# Altium PCB openservo_tessellated.PcbDoc (part 13 of 13)
Units mm, origin at the board's own origin, x right, y up, seen from the top; angles counter-clockwise.
Board outline 225 x 202.5 mm, 2 copper layers (Top Layer, Bottom Layer); 1250 components, 19 nets, 5300 pads, 1100 vias.
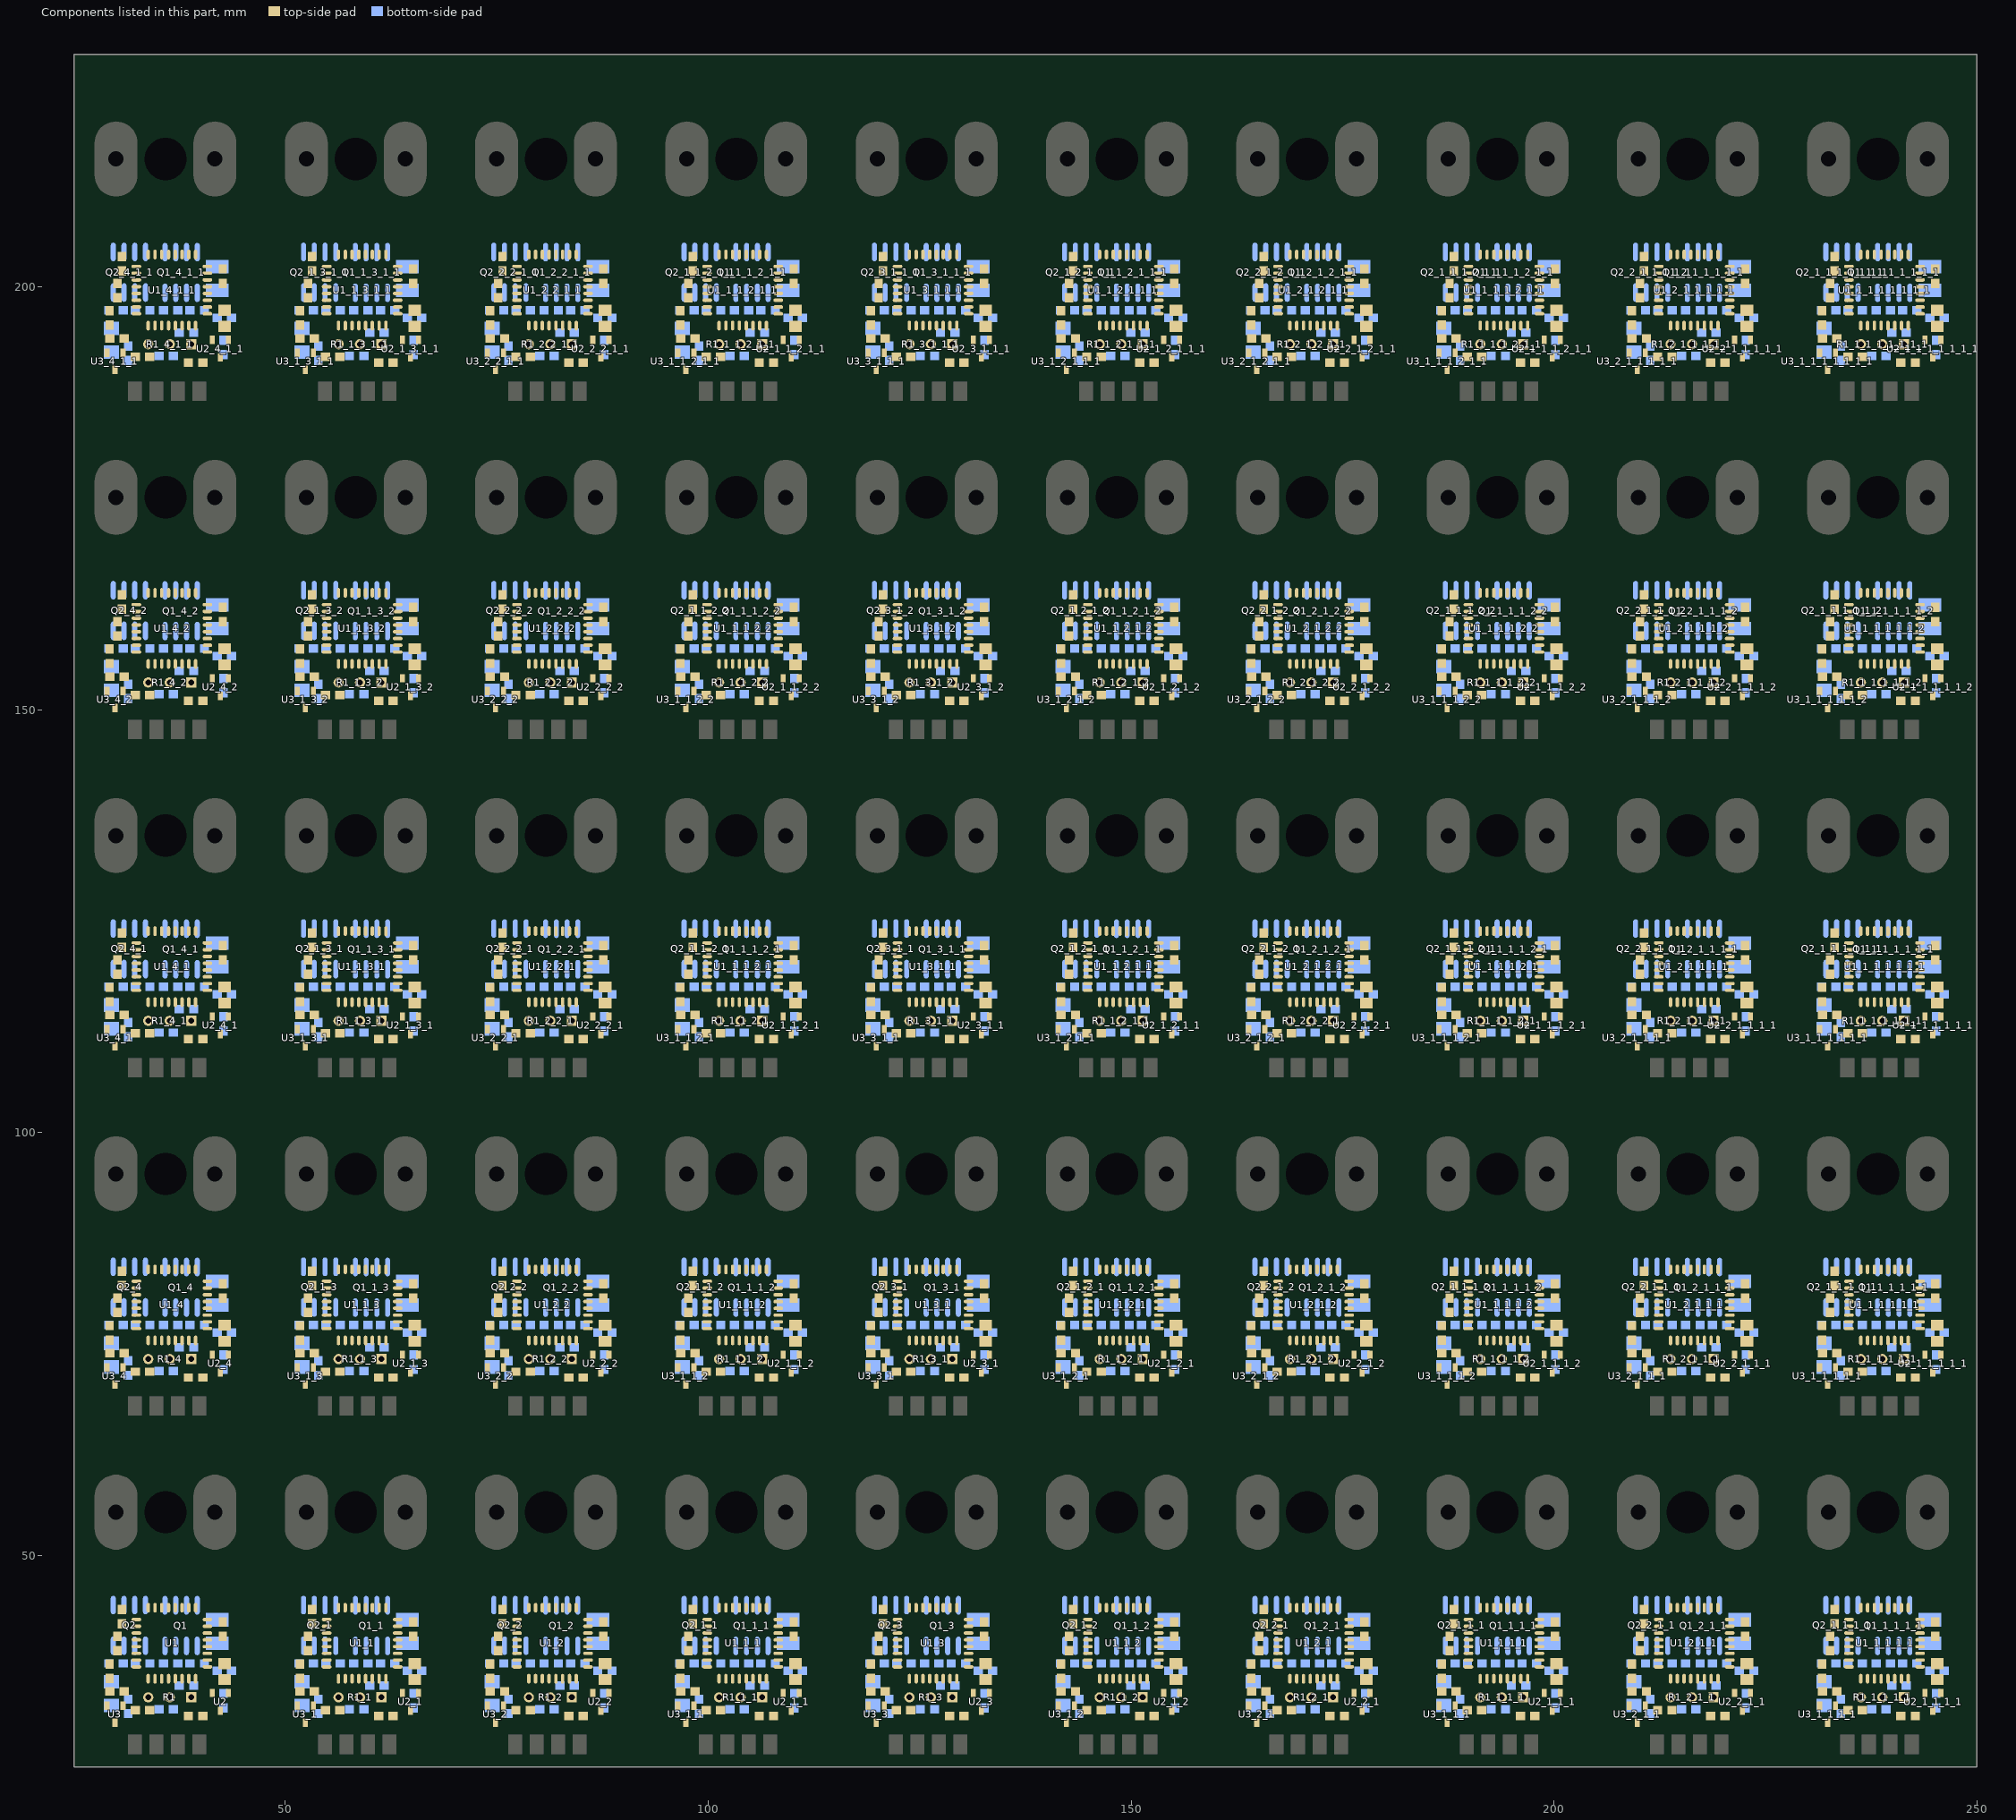
[diagram p13: the components of this part, seen from the top]

## Via types
v1: diameter 0.762, hole 0.35, Top Layer to Bottom Layer, 1000 vias
v2: diameter 1.27, hole 0.7, Top Layer to Bottom Layer, 100 vias

## Nets (pads, with @x,y where several pads share a name; then routed paths per layer and width w, separated by ;. In a path a pad name is that pad's centre, name@x,y a point inside that pad or via, vN(x,y) a via of type N, cw(c..) or ccw(c..) an arc to the next point about the centre after c; other vN are vias at no path point) (continued)
copper on no net: (continued)
  Bottom Layer w0.635: v1(28.626,70.632) 29.439,71.445 ; v1(28.626,110.632) 29.439,111.445 ; v1(28.626,150.632) 29.439,151.445 ; v1(28.626,190.632) 29.439,191.445 ; 29.969,75.611 v1(31.191,75.611) ; 29.969,115.611 v1(31.191,115.611) ; 29.969,155.611 v1(31.191,155.611) ; 29.969,195.611 v1(31.191,195.611) ; 30.159,71.56 33.07,71.56 34.252,70.378 v1@35.56,70.378 ; 30.159,111.56 33.07,111.56 34.252,110.378 v1@35.56,110.378 ; 30.159,151.56 33.07,151.56 34.252,150.378 v1@35.56,150.378 ; 30.159,191.56 33.07,191.56 34.252,190.378 v1@35.56,190.378 ; 30.822,75.98 30.822,77.236 ; 30.822,115.98 30.822,117.236 ; 30.822,155.98 30.822,157.236 ; 30.822,195.98 30.822,197.236 ; 31.496,75.916 31.745,76.165 36.36,76.165 37.274,77.078 37.274,77.236 ; 31.496,115.916 31.745,116.165 36.36,116.165 37.274,117.078 37.274,117.236 ; 31.496,155.916 31.745,156.165 36.36,156.165 37.274,157.078 37.274,157.236 ; 31.496,195.916 31.745,196.165 36.36,196.165 37.274,197.078 37.274,197.236 ; v1@35.725,70.645 38.034,70.645 39.063,71.674 40.31,71.674 v1(41.072,72.436) 41.072,73.096 41.668,73.692 ; v1@35.725,110.645 38.034,110.645 39.063,111.674 40.31,111.674 v1(41.072,112.436) 41.072,113.096 41.668,113.692 ; v1@35.725,150.645 38.034,150.645 39.063,151.674 40.31,151.674 v1(41.072,152.436) 41.072,153.096 41.668,153.692 ; v1@35.725,190.645 38.034,190.645 39.063,191.674 40.31,191.674 v1(41.072,192.436) 41.072,193.096 41.668,193.692 ; 37.735,69.629 v1(36.665,69.629) 36.678,69.642 38.288,69.642 38.872,70.226 v1(41.783,70.226) 41.783,71.103 42.672,71.992 43.575,71.992 43.993,72.41 43.993,75.978 43.624,76.347 43.917,76.64 43.917,82.316 v1(43.917,83.866) ; 37.735,109.629 v1(36.665,109.629) 36.678,109.642 38.288,109.642 38.872,110.226 v1(41.783,110.226) 41.783,111.103 42.672,111.992 43.575,111.992 43.993,112.41 43.993,115.978 43.624,116.347 43.917,116.64 43.917,122.316 v1(43.917,123.866) ; 37.735,149.629 v1(36.665,149.629) 36.678,149.642 38.288,149.642 38.872,150.226 v1(41.783,150.226) 41.783,151.103 42.672,151.992 43.575,151.992 43.993,152.41 43.993,155.978 43.624,156.347 43.917,156.64 43.917,162.316 v1(43.917,163.866) ; 37.735,189.629 v1(36.665,189.629) 36.678,189.642 38.288,189.642 38.872,190.226 v1(41.783,190.226) 41.783,191.103 42.672,191.992 43.575,191.992 43.993,192.41 43.993,195.978 43.624,196.347 43.917,196.64 43.917,202.316 v1(43.917,203.866) ; 39.802,67.788 40.564,68.55 43.409,68.55 v1(43.891,69.032) ; 39.802,107.788 40.564,108.55 43.409,108.55 v1(43.891,109.032) ; 39.802,147.788 40.564,148.55 43.409,148.55 v1(43.891,149.032) ; 39.802,187.788 40.564,188.55 43.409,188.55 v1(43.891,189.032) ; 41.668,76.092 41.668,73.692 ; 41.668,116.092 41.668,113.692 ; 41.668,156.092 41.668,153.692 ; 41.668,196.092 41.668,193.692 ; 41.924,76.347 41.924,79.584 ; 41.924,116.347 41.924,119.584 ; 41.924,156.347 41.924,159.584 ; 41.924,196.347 41.924,199.584 ; 41.935,82.396 43.837,82.396 ; 41.935,122.396 43.837,122.396 ; 41.935,162.396 43.837,162.396 ; 41.935,202.396 43.837,202.396 ; 42.672,73.692 41.668,73.692 ; 42.672,113.692 41.668,113.692 ; 42.672,153.692 41.668,153.692 ; 42.672,193.692 41.668,193.692 ; v1(51.126,30.632) 51.939,31.445 ; v1(51.126,70.632) 51.939,71.445 ; v1(51.126,110.632) 51.939,111.445 ; v1(51.126,150.632) 51.939,151.445 ; v1(51.126,190.632) 51.939,191.445 ; 52.469,35.611 v1(53.691,35.611) ; 52.469,75.611 v1(53.691,75.611) ; 52.469,115.611 v1(53.691,115.611) ; 52.469,155.611 v1(53.691,155.611) ; 52.469,195.611 v1(53.691,195.611) ; 52.659,31.56 55.57,31.56 56.752,30.378 v1@58.06,30.378 ; 52.659,71.56 55.57,71.56 56.752,70.378 v1@58.06,70.378 ; 52.659,111.56 55.57,111.56 56.752,110.378 v1@58.06,110.378 ; 52.659,151.56 55.57,151.56 56.752,150.378 v1@58.06,150.378 ; 52.659,191.56 55.57,191.56 56.752,190.378 v1@58.06,190.378 ; 53.322,35.98 53.322,37.236 ; 53.322,75.98 53.322,77.236 ; 53.322,115.98 53.322,117.236 ; 53.322,155.98 53.322,157.236 ; 53.322,195.98 53.322,197.236 ; 53.996,35.916 54.245,36.165 58.86,36.165 59.774,37.078 59.774,37.236 ; 53.996,75.916 54.245,76.165 58.86,76.165 59.774,77.078 59.774,77.236 ; 53.996,115.916 54.245,116.165 58.86,116.165 59.774,117.078 59.774,117.236 ; 53.996,155.916 54.245,156.165 58.86,156.165 59.774,157.078 59.774,157.236 ; 53.996,195.916 54.245,196.165 58.86,196.165 59.774,197.078 59.774,197.236 ; v1@58.225,30.645 60.534,30.645 61.563,31.674 62.81,31.674 v1(63.572,32.436) 63.572,33.096 64.168,33.692 ; v1@58.225,70.645 60.534,70.645 61.563,71.674 62.81,71.674 v1(63.572,72.436) 63.572,73.096 64.168,73.692 ; v1@58.225,110.645 60.534,110.645 61.563,111.674 62.81,111.674 v1(63.572,112.436) 63.572,113.096 64.168,113.692 ; v1@58.225,150.645 60.534,150.645 61.563,151.674 62.81,151.674 v1(63.572,152.436) 63.572,153.096 64.168,153.692 ; v1@58.225,190.645 60.534,190.645 61.563,191.674 62.81,191.674 v1(63.572,192.436) 63.572,193.096 64.168,193.692 ; 60.235,29.629 v1(59.165,29.629) 59.178,29.642 60.788,29.642 61.372,30.226 v1(64.283,30.226) 64.283,31.103 65.172,31.992 66.075,31.992 66.493,32.41 66.493,35.978 66.124,36.347 66.417,36.64 66.417,42.316 v1(66.417,43.866) ; 60.235,69.629 v1(59.165,69.629) 59.178,69.642 60.788,69.642 61.372,70.226 v1(64.283,70.226) 64.283,71.103 65.172,71.992 66.075,71.992 66.493,72.41 66.493,75.978 66.124,76.347 66.417,76.64 66.417,82.316 v1(66.417,83.866) ; 60.235,109.629 v1(59.165,109.629) 59.178,109.642 60.788,109.642 61.372,110.226 v1(64.283,110.226) 64.283,111.103 65.172,111.992 66.075,111.992 66.493,112.41 66.493,115.978 66.124,116.347 66.417,116.64 66.417,122.316 v1(66.417,123.866) ; 60.235,149.629 v1(59.165,149.629) 59.178,149.642 60.788,149.642 61.372,150.226 v1(64.283,150.226) 64.283,151.103 65.172,151.992 66.075,151.992 66.493,152.41 66.493,155.978 66.124,156.347 66.417,156.64 66.417,162.316 v1(66.417,163.866) ; 60.235,189.629 v1(59.165,189.629) 59.178,189.642 60.788,189.642 61.372,190.226 v1(64.283,190.226) 64.283,191.103 65.172,191.992 66.075,191.992 66.493,192.41 66.493,195.978 66.124,196.347 66.417,196.64 66.417,202.316 v1(66.417,203.866) ; 62.302,27.788 63.064,28.55 65.909,28.55 v1(66.391,29.032) ; 62.302,67.788 63.064,68.55 65.909,68.55 v1(66.391,69.032) ; 62.302,107.788 63.064,108.55 65.909,108.55 v1(66.391,109.032) ; 62.302,147.788 63.064,148.55 65.909,148.55 v1(66.391,149.032) ; 62.302,187.788 63.064,188.55 65.909,188.55 v1(66.391,189.032) ; 64.168,36.092 64.168,33.692 ; 64.168,76.092 64.168,73.692 ; 64.168,116.092 64.168,113.692 ; 64.168,156.092 64.168,153.692 ; 64.168,196.092 64.168,193.692 ; 64.424,36.347 64.424,39.584 ; 64.424,76.347 64.424,79.584 ; 64.424,116.347 64.424,119.584 ; 64.424,156.347 64.424,159.584 ; 64.424,196.347 64.424,199.584 ; 64.435,42.396 66.337,42.396 ; 64.435,82.396 66.337,82.396 ; 64.435,122.396 66.337,122.396 ; 64.435,162.396 66.337,162.396 ; 64.435,202.396 66.337,202.396 ; 65.172,33.692 64.168,33.692 ; 65.172,73.692 64.168,73.692 ; 65.172,113.692 64.168,113.692 ; 65.172,153.692 64.168,153.692 ; 65.172,193.692 64.168,193.692 ; v1(73.626,30.632) 74.439,31.445 ; v1(73.626,70.632) 74.439,71.445 ; v1(73.626,110.632) 74.439,111.445 ; v1(73.626,150.632) 74.439,151.445 ; v1(73.626,190.632) 74.439,191.445 ; 74.969,35.611 v1(76.191,35.611) ; 74.969,75.611 v1(76.191,75.611) ; 74.969,115.611 v1(76.191,115.611) ; 74.969,155.611 v1(76.191,155.611) ; 74.969,195.611 v1(76.191,195.611) ; 75.159,31.56 78.07,31.56 79.252,30.378 v1@80.56,30.378 ; 75.159,71.56 78.07,71.56 79.252,70.378 v1@80.56,70.378 ; 75.159,111.56 78.07,111.56 79.252,110.378 v1@80.56,110.378 ; 75.159,151.56 78.07,151.56 79.252,150.378 v1@80.56,150.378 ; 75.159,191.56 78.07,191.56 79.252,190.378 v1@80.56,190.378 ; 75.822,35.98 75.822,37.236 ; 75.822,75.98 75.822,77.236 ; 75.822,115.98 75.822,117.236 ; 75.822,155.98 75.822,157.236 ; 75.822,195.98 75.822,197.236 ; 76.496,35.916 76.745,36.165 81.36,36.165 82.274,37.078 82.274,37.236 ; 76.496,75.916 76.745,76.165 81.36,76.165 82.274,77.078 82.274,77.236 ; 76.496,115.916 76.745,116.165 81.36,116.165 82.274,117.078 82.274,117.236 ; 76.496,155.916 76.745,156.165 81.36,156.165 82.274,157.078 82.274,157.236 ; 76.496,195.916 76.745,196.165 81.36,196.165 82.274,197.078 82.274,197.236 ; v1@80.725,30.645 83.034,30.645 84.063,31.674 85.31,31.674 v1(86.072,32.436) 86.072,33.096 86.668,33.692 ; v1@80.725,70.645 83.034,70.645 84.063,71.674 85.31,71.674 v1(86.072,72.436) 86.072,73.096 86.668,73.692 ; v1@80.725,110.645 83.034,110.645 84.063,111.674 85.31,111.674 v1(86.072,112.436) 86.072,113.096 86.668,113.692 ; v1@80.725,150.645 83.034,150.645 84.063,151.674 85.31,151.674 v1(86.072,152.436) 86.072,153.096 86.668,153.692 ; v1@80.725,190.645 83.034,190.645 84.063,191.674 85.31,191.674 v1(86.072,192.436) 86.072,193.096 86.668,193.692 ; 82.735,29.629 v1(81.665,29.629) 81.678,29.642 83.288,29.642 83.872,30.226 v1(86.783,30.226) 86.783,31.103 87.672,31.992 88.575,31.992 88.993,32.41 88.993,35.978 88.624,36.347 88.917,36.64 88.917,42.316 v1(88.917,43.866) ; 82.735,69.629 v1(81.665,69.629) 81.678,69.642 83.288,69.642 83.872,70.226 v1(86.783,70.226) 86.783,71.103 87.672,71.992 88.575,71.992 88.993,72.41 88.993,75.978 88.624,76.347 88.917,76.64 88.917,82.316 v1(88.917,83.866) ; 82.735,109.629 v1(81.665,109.629) 81.678,109.642 83.288,109.642 83.872,110.226 v1(86.783,110.226) 86.783,111.103 87.672,111.992 88.575,111.992 88.993,112.41 88.993,115.978 88.624,116.347 88.917,116.64 88.917,122.316 v1(88.917,123.866) ; 82.735,149.629 v1(81.665,149.629) 81.678,149.642 83.288,149.642 83.872,150.226 v1(86.783,150.226) 86.783,151.103 87.672,151.992 88.575,151.992 88.993,152.41 88.993,155.978 88.624,156.347 88.917,156.64 88.917,162.316 v1(88.917,163.866) ; 82.735,189.629 v1(81.665,189.629) 81.678,189.642 83.288,189.642 83.872,190.226 v1(86.783,190.226) 86.783,191.103 87.672,191.992 88.575,191.992 88.993,192.41 88.993,195.978 88.624,196.347 88.917,196.64 88.917,202.316 v1(88.917,203.866) ; 84.802,27.788 85.564,28.55 88.409,28.55 v1(88.891,29.032) ; 84.802,67.788 85.564,68.55 88.409,68.55 v1(88.891,69.032) ; 84.802,107.788 85.564,108.55 88.409,108.55 v1(88.891,109.032) ; 84.802,147.788 85.564,148.55 88.409,148.55 v1(88.891,149.032) ; 84.802,187.788 85.564,188.55 88.409,188.55 v1(88.891,189.032) ; 86.668,36.092 86.668,33.692 ; 86.668,76.092 86.668,73.692 ; 86.668,116.092 86.668,113.692 ; 86.668,156.092 86.668,153.692 ; 86.668,196.092 86.668,193.692 ; 86.924,36.347 86.924,39.584 ; 86.924,76.347 86.924,79.584 ; 86.924,116.347 86.924,119.584 ; 86.924,156.347 86.924,159.584 ; 86.924,196.347 86.924,199.584 ; 86.935,42.396 88.837,42.396 ; 86.935,82.396 88.837,82.396 ; 86.935,122.396 88.837,122.396 ; 86.935,162.396 88.837,162.396 ; 86.935,202.396 88.837,202.396 ; 87.672,33.692 86.668,33.692 ; 87.672,73.692 86.668,73.692 ; 87.672,113.692 86.668,113.692 ; 87.672,153.692 86.668,153.692 ; 87.672,193.692 86.668,193.692 ; v1(96.126,30.632) 96.939,31.445 ; v1(96.126,70.632) 96.939,71.445 ; v1(96.126,110.632) 96.939,111.445 ; v1(96.126,150.632) 96.939,151.445 ; v1(96.126,190.632) 96.939,191.445 ; 97.469,35.611 v1(98.691,35.611) ; 97.469,75.611 v1(98.691,75.611) ; 97.469,115.611 v1(98.691,115.611) ; 97.469,155.611 v1(98.691,155.611) ; 97.469,195.611 v1(98.691,195.611) ; 97.659,31.56 100.57,31.56 101.752,30.378 v1@103.06,30.378 ; 97.659,71.56 100.57,71.56 101.752,70.378 v1@103.06,70.378 ; 97.659,111.56 100.57,111.56 101.752,110.378 v1@103.06,110.378 ; 97.659,151.56 100.57,151.56 101.752,150.378 v1@103.06,150.378 ; 97.659,191.56 100.57,191.56 101.752,190.378 v1@103.06,190.378 ; 98.322,35.98 98.322,37.236 ; 98.322,75.98 98.322,77.236 ; 98.322,115.98 98.322,117.236 ; 98.322,155.98 98.322,157.236 ; 98.322,195.98 98.322,197.236 ; 98.996,35.916 99.245,36.165 103.86,36.165 104.774,37.078 104.774,37.236 ; 98.996,75.916 99.245,76.165 103.86,76.165 104.774,77.078 104.774,77.236 ; 98.996,115.916 99.245,116.165 103.86,116.165 104.774,117.078 104.774,117.236 ; 98.996,155.916 99.245,156.165 103.86,156.165 104.774,157.078 104.774,157.236 ; 98.996,195.916 99.245,196.165 103.86,196.165 104.774,197.078 104.774,197.236 ; v1@103.225,30.645 105.534,30.645 106.563,31.674 107.81,31.674 v1(108.572,32.436) 108.572,33.096 109.168,33.692 ; v1@103.225,70.645 105.534,70.645 106.563,71.674 107.81,71.674 v1(108.572,72.436) 108.572,73.096 109.168,73.692 ; v1@103.225,110.645 105.534,110.645 106.563,111.674 107.81,111.674 v1(108.572,112.436) 108.572,113.096 109.168,113.692 ; v1@103.225,150.645 105.534,150.645 106.563,151.674 107.81,151.674 v1(108.572,152.436) 108.572,153.096 109.168,153.692 ; v1@103.225,190.645 105.534,190.645 106.563,191.674 107.81,191.674 v1(108.572,192.436) 108.572,193.096 109.168,193.692 ; 105.235,29.629 v1(104.165,29.629) 104.178,29.642 105.788,29.642 106.372,30.226 v1(109.283,30.226) 109.283,31.103 110.172,31.992 111.075,31.992 111.493,32.41 111.493,35.978 111.124,36.347 111.417,36.64 111.417,42.316 v1(111.417,43.866) ; 105.235,69.629 v1(104.165,69.629) 104.178,69.642 105.788,69.642 106.372,70.226 v1(109.283,70.226) 109.283,71.103 110.172,71.992 111.075,71.992 111.493,72.41 111.493,75.978 111.124,76.347 111.417,76.64 111.417,82.316 v1(111.417,83.866) ; 105.235,109.629 v1(104.165,109.629) 104.178,109.642 105.788,109.642 106.372,110.226 v1(109.283,110.226) 109.283,111.103 110.172,111.992 111.075,111.992 111.493,112.41 111.493,115.978 111.124,116.347 111.417,116.64 111.417,122.316 v1(111.417,123.866) ; 105.235,149.629 v1(104.165,149.629) 104.178,149.642 105.788,149.642 106.372,150.226 v1(109.283,150.226) 109.283,151.103 110.172,151.992 111.075,151.992 111.493,152.41 111.493,155.978 111.124,156.347 111.417,156.64 111.417,162.316 v1(111.417,163.866) ; 105.235,189.629 v1(104.165,189.629) 104.178,189.642 105.788,189.642 106.372,190.226 v1(109.283,190.226) 109.283,191.103 110.172,191.992 111.075,191.992 111.493,192.41 111.493,195.978 111.124,196.347 111.417,196.64 111.417,202.316 v1(111.417,203.866) ; 107.302,27.788 108.064,28.55 110.909,28.55 v1(111.391,29.032) ; 107.302,67.788 108.064,68.55 110.909,68.55 v1(111.391,69.032) ; 107.302,107.788 108.064,108.55 110.909,108.55 v1(111.391,109.032) ; 107.302,147.788 108.064,148.55 110.909,148.55 v1(111.391,149.032) ; 107.302,187.788 108.064,188.55 110.909,188.55 v1(111.391,189.032) ; 109.168,36.092 109.168,33.692 ; 109.168,76.092 109.168,73.692 ; 109.168,116.092 109.168,113.692 ; 109.168,156.092 109.168,153.692 ; 109.168,196.092 109.168,193.692 ; 109.424,36.347 109.424,39.584 ; 109.424,76.347 109.424,79.584 ; 109.424,116.347 109.424,119.584 ; 109.424,156.347 109.424,159.584 ; 109.424,196.347 109.424,199.584 ; 109.435,42.396 111.337,42.396 ; 109.435,82.396 111.337,82.396 ; 109.435,122.396 111.337,122.396 ; 109.435,162.396 111.337,162.396 ; 109.435,202.396 111.337,202.396 ; 110.172,33.692 109.168,33.692 ; 110.172,73.692 109.168,73.692 ; 110.172,113.692 109.168,113.692 ; 110.172,153.692 109.168,153.692 ; 110.172,193.692 109.168,193.692 ; v1(118.626,30.632) 119.439,31.445 ; v1(118.626,70.632) 119.439,71.445 ; v1(118.626,110.632) 119.439,111.445 ; v1(118.626,150.632) 119.439,151.445 ; v1(118.626,190.632) 119.439,191.445 ; 119.969,35.611 v1(121.191,35.611) ; 119.969,75.611 v1(121.191,75.611) ; 119.969,115.611 v1(121.191,115.611) ; 119.969,155.611 v1(121.191,155.611) ; 119.969,195.611 v1(121.191,195.611) ; 120.159,31.56 123.07,31.56 124.252,30.378 v1@125.56,30.378 ; 120.159,71.56 123.07,71.56 124.252,70.378 v1@125.56,70.378 ; 120.159,111.56 123.07,111.56 124.252,110.378 v1@125.56,110.378 ; 120.159,151.56 123.07,151.56 124.252,150.378 v1@125.56,150.378 ; 120.159,191.56 123.07,191.56 124.252,190.378 v1@125.56,190.378 ; 120.822,35.98 120.822,37.236 ; 120.822,75.98 120.822,77.236 ; 120.822,115.98 120.822,117.236 ; 120.822,155.98 120.822,157.236 ; 120.822,195.98 120.822,197.236 ; 121.496,35.916 121.745,36.165 126.36,36.165 127.274,37.078 127.274,37.236 ; 121.496,75.916 121.745,76.165 126.36,76.165 127.274,77.078 127.274,77.236 ; 121.496,115.916 121.745,116.165 126.36,116.165 127.274,117.078 127.274,117.236 ; 121.496,155.916 121.745,156.165 126.36,156.165 127.274,157.078 127.274,157.236 ; 121.496,195.916 121.745,196.165 126.36,196.165 127.274,197.078 127.274,197.236 ; v1@125.725,30.645 128.034,30.645 129.063,31.674 130.31,31.674 v1(131.072,32.436) 131.072,33.096 131.668,33.692 ; v1@125.725,70.645 128.034,70.645 129.063,71.674 130.31,71.674 v1(131.072,72.436) 131.072,73.096 131.668,73.692 ; v1@125.725,110.645 128.034,110.645 129.063,111.674 130.31,111.674 v1(131.072,112.436) 131.072,113.096 131.668,113.692 ; v1@125.725,150.645 128.034,150.645 129.063,151.674 130.31,151.674 v1(131.072,152.436) 131.072,153.096 131.668,153.692 ; v1@125.725,190.645 128.034,190.645 129.063,191.674 130.31,191.674 v1(131.072,192.436) 131.072,193.096 131.668,193.692 ; 127.735,29.629 v1(126.665,29.629) 126.678,29.642 128.288,29.642 128.872,30.226 v1(131.783,30.226) 131.783,31.103 132.672,31.992 133.575,31.992 133.993,32.41 133.993,35.978 133.624,36.347 133.917,36.64 133.917,42.316 v1(133.917,43.866) ; 127.735,69.629 v1(126.665,69.629) 126.678,69.642 128.288,69.642 128.872,70.226 v1(131.783,70.226) 131.783,71.103 132.672,71.992 133.575,71.992 133.993,72.41 133.993,75.978 133.624,76.347 133.917,76.64 133.917,82.316 v1(133.917,83.866) ; 127.735,109.629 v1(126.665,109.629) 126.678,109.642 128.288,109.642 128.872,110.226 v1(131.783,110.226) 131.783,111.103 132.672,111.992 133.575,111.992 133.993,112.41 133.993,115.978 133.624,116.347 133.917,116.64 133.917,122.316 v1(133.917,123.866) ; 127.735,149.629 v1(126.665,149.629) 126.678,149.642 128.288,149.642 128.872,150.226 v1(131.783,150.226) 131.783,151.103 132.672,151.992 133.575,151.992 133.993,152.41 133.993,155.978 133.624,156.347 133.917,156.64 133.917,162.316 v1(133.917,163.866) ; 127.735,189.629 v1(126.665,189.629) 126.678,189.642 128.288,189.642 128.872,190.226 v1(131.783,190.226) 131.783,191.103 132.672,191.992 133.575,191.992 133.993,192.41 133.993,195.978 133.624,196.347 133.917,196.64 133.917,202.316 v1(133.917,203.866) ; 129.802,27.788 130.564,28.55 133.409,28.55 v1(133.891,29.032) ; 129.802,67.788 130.564,68.55 133.409,68.55 v1(133.891,69.032) ; 129.802,107.788 130.564,108.55 133.409,108.55 v1(133.891,109.032) ; 129.802,147.788 130.564,148.55 133.409,148.55 v1(133.891,149.032) ; 129.802,187.788 130.564,188.55 133.409,188.55 v1(133.891,189.032) ; 131.668,36.092 131.668,33.692 ; 131.668,76.092 131.668,73.692 ; 131.668,116.092 131.668,113.692 ; 131.668,156.092 131.668,153.692 ; 131.668,196.092 131.668,193.692 ; 131.924,36.347 131.924,39.584 ; 131.924,76.347 131.924,79.584 ; 131.924,116.347 131.924,119.584 ; 131.924,156.347 131.924,159.584 ; 131.924,196.347 131.924,199.584 ; 131.935,42.396 133.837,42.396 ; 131.935,82.396 133.837,82.396 ; 131.935,122.396 133.837,122.396 ; 131.935,162.396 133.837,162.396 ; 131.935,202.396 133.837,202.396 ; 132.672,33.692 131.668,33.692 ; 132.672,73.692 131.668,73.692 ; 132.672,113.692 131.668,113.692 ; 132.672,153.692 131.668,153.692 ; 132.672,193.692 131.668,193.692 ; v1(141.126,30.632) 141.939,31.445 ; v1(141.126,70.632) 141.939,71.445 ; v1(141.126,110.632) 141.939,111.445 ; v1(141.126,150.632) 141.939,151.445 ; v1(141.126,190.632) 141.939,191.445 ; 142.469,35.611 v1(143.691,35.611) ; 142.469,75.611 v1(143.691,75.611) ; 142.469,115.611 v1(143.691,115.611) ; 142.469,155.611 v1(143.691,155.611) ; 142.469,195.611 v1(143.691,195.611) ; 142.659,31.56 145.57,31.56 146.752,30.378 v1@148.06,30.378 ; 142.659,71.56 145.57,71.56 146.752,70.378 v1@148.06,70.378 ; 142.659,111.56 145.57,111.56 146.752,110.378 v1@148.06,110.378 ; 142.659,151.56 145.57,151.56 146.752,150.378 v1@148.06,150.378 ; 142.659,191.56 145.57,191.56 146.752,190.378 v1@148.06,190.378 ; 143.322,35.98 143.322,37.236 ; 143.322,75.98 143.322,77.236 ; 143.322,115.98 143.322,117.236 ; 143.322,155.98 143.322,157.236 ; 143.322,195.98 143.322,197.236 ; 143.996,35.916 144.245,36.165 148.86,36.165 149.774,37.078 149.774,37.236 ; 143.996,75.916 144.245,76.165 148.86,76.165 149.774,77.078 149.774,77.236 ; 143.996,115.916 144.245,116.165 148.86,116.165 149.774,117.078 149.774,117.236 ; 143.996,155.916 144.245,156.165 148.86,156.165 149.774,157.078 149.774,157.236 ; 143.996,195.916 144.245,196.165 148.86,196.165 149.774,197.078 149.774,197.236 ; v1@148.225,30.645 150.534,30.645 151.563,31.674 152.81,31.674 v1(153.572,32.436) 153.572,33.096 154.168,33.692 ; v1@148.225,70.645 150.534,70.645 151.563,71.674 152.81,71.674 v1(153.572,72.436) 153.572,73.096 154.168,73.692 ; v1@148.225,110.645 150.534,110.645 151.563,111.674 152.81,111.674 v1(153.572,112.436) 153.572,113.096 154.168,113.692 ; v1@148.225,150.645 150.534,150.645 151.563,151.674 152.81,151.674 v1(153.572,152.436) 153.572,153.096 154.168,153.692 ; v1@148.225,190.645 150.534,190.645 151.563,191.674 152.81,191.674 v1(153.572,192.436) 153.572,193.096 154.168,193.692 ; 150.235,29.629 v1(149.165,29.629) 149.178,29.642 150.788,29.642 151.372,30.226 v1(154.283,30.226) 154.283,31.103 155.172,31.992 156.075,31.992 156.493,32.41 156.493,35.978 156.124,36.347 156.417,36.64 156.417,42.316 v1(156.417,43.866) ; 150.235,69.629 v1(149.165,69.629) 149.178,69.642 150.788,69.642 151.372,70.226 v1(154.283,70.226) 154.283,71.103 155.172,71.992 156.075,71.992 156.493,72.41 156.493,75.978 156.124,76.347 156.417,76.64 156.417,82.316 v1(156.417,83.866) ; 150.235,109.629 v1(149.165,109.629) 149.178,109.642 150.788,109.642 151.372,110.226 v1(154.283,110.226) 154.283,111.103 155.172,111.992 156.075,111.992 156.493,112.41 156.493,115.978 156.124,116.347 156.417,116.64 156.417,122.316 v1(156.417,123.866) ; 150.235,149.629 v1(149.165,149.629) 149.178,149.642 150.788,149.642 151.372,150.226 v1(154.283,150.226) 154.283,151.103 155.172,151.992 156.075,151.992 156.493,152.41 156.493,155.978 156.124,156.347 156.417,156.64 156.417,162.316 v1(156.417,163.866) ; 150.235,189.629 v1(149.165,189.629) 149.178,189.642 150.788,189.642 151.372,190.226 v1(154.283,190.226) 154.283,191.103 155.172,191.992 156.075,191.992 156.493,192.41 156.493,195.978 156.124,196.347 156.417,196.64 156.417,202.316 v1(156.417,203.866) ; 152.302,27.788 153.064,28.55 155.909,28.55 v1(156.391,29.032) ; 152.302,67.788 153.064,68.55 155.909,68.55 v1(156.391,69.032) ; 152.302,107.788 153.064,108.55 155.909,108.55 v1(156.391,109.032) ; 152.302,147.788 153.064,148.55 155.909,148.55 v1(156.391,149.032) ; 152.302,187.788 153.064,188.55 155.909,188.55 v1(156.391,189.032) ; 154.168,36.092 154.168,33.692 ; 154.168,76.092 154.168,73.692 ; 154.168,116.092 154.168,113.692 ; 154.168,156.092 154.168,153.692 ; 154.168,196.092 154.168,193.692 ; 154.424,36.347 154.424,39.584 ; 154.424,76.347 154.424,79.584 ; 154.424,116.347 154.424,119.584 ; 154.424,156.347 154.424,159.584 ; 154.424,196.347 154.424,199.584 ; 154.435,42.396 156.337,42.396 ; 154.435,82.396 156.337,82.396 ; 154.435,122.396 156.337,122.396 ; 154.435,162.396 156.337,162.396 ; 154.435,202.396 156.337,202.396 ; 155.172,33.692 154.168,33.692 ; 155.172,73.692 154.168,73.692 ; 155.172,113.692 154.168,113.692 ; 155.172,153.692 154.168,153.692 ; 155.172,193.692 154.168,193.692 ; v1(163.626,30.632) 164.439,31.445 ; v1(163.626,70.632) 164.439,71.445 ; v1(163.626,110.632) 164.439,111.445 ; v1(163.626,150.632) 164.439,151.445 ; v1(163.626,190.632) 164.439,191.445 ; 164.969,35.611 v1(166.191,35.611) ; 164.969,75.611 v1(166.191,75.611) ; 164.969,115.611 v1(166.191,115.611) ; 164.969,155.611 v1(166.191,155.611) ; 164.969,195.611 v1(166.191,195.611) ; 165.159,31.56 168.07,31.56 169.252,30.378 v1@170.56,30.378 ; 165.159,71.56 168.07,71.56 169.252,70.378 v1@170.56,70.378 ; 165.159,111.56 168.07,111.56 169.252,110.378 v1@170.56,110.378 ; 165.159,151.56 168.07,151.56 169.252,150.378 v1@170.56,150.378 ; 165.159,191.56 168.07,191.56 169.252,190.378 v1@170.56,190.378 ; 165.822,35.98 165.822,37.236 ; 165.822,75.98 165.822,77.236 ; 165.822,115.98 165.822,117.236 ; 165.822,155.98 165.822,157.236 ; 165.822,195.98 165.822,197.236 ; 166.496,35.916 166.745,36.165 171.36,36.165 172.274,37.078 172.274,37.236 ; 166.496,75.916 166.745,76.165 171.36,76.165 172.274,77.078 172.274,77.236 ; 166.496,115.916 166.745,116.165 171.36,116.165 172.274,117.078 172.274,117.236 ; 166.496,155.916 166.745,156.165 171.36,156.165 172.274,157.078 172.274,157.236 ; 166.496,195.916 166.745,196.165 171.36,196.165 172.274,197.078 172.274,197.236 ; v1@170.725,30.645 173.034,30.645 174.063,31.674 175.31,31.674 v1(176.072,32.436) 176.072,33.096 176.668,33.692 ; v1@170.725,70.645 173.034,70.645 174.063,71.674 175.31,71.674 v1(176.072,72.436) 176.072,73.096 176.668,73.692 ; v1@170.725,110.645 173.034,110.645 174.063,111.674 175.31,111.674 v1(176.072,112.436) 176.072,113.096 176.668,113.692 ; v1@170.725,150.645 173.034,150.645 174.063,151.674 175.31,151.674 v1(176.072,152.436) 176.072,153.096 176.668,153.692 ; v1@170.725,190.645 173.034,190.645 174.063,191.674 175.31,191.674 v1(176.072,192.436) 176.072,193.096 176.668,193.692 ; 172.735,29.629 v1(171.665,29.629) 171.678,29.642 173.288,29.642 173.872,30.226 v1(176.783,30.226) 176.783,31.103 177.672,31.992 178.575,31.992 178.993,32.41 178.993,35.978 178.624,36.347 178.917,36.64 178.917,42.316 v1(178.917,43.866) ; 172.735,69.629 v1(171.665,69.629) 171.678,69.642 173.288,69.642 173.872,70.226 v1(176.783,70.226) 176.783,71.103 177.672,71.992 178.575,71.992 178.993,72.41 178.993,75.978 178.624,76.347 178.917,76.64 178.917,82.316 v1(178.917,83.866) ; 172.735,109.629 v1(171.665,109.629) 171.678,109.642 173.288,109.642 173.872,110.226 v1(176.783,110.226) 176.783,111.103 177.672,111.992 178.575,111.992 178.993,112.41 178.993,115.978 178.624,116.347 178.917,116.64 178.917,122.316 v1(178.917,123.866) ; 172.735,149.629 v1(171.665,149.629) 171.678,149.642 173.288,149.642 173.872,150.226 v1(176.783,150.226) 176.783,151.103 177.672,151.992 178.575,151.992 178.993,152.41 178.993,155.978 178.624,156.347 178.917,156.64 178.917,162.316 v1(178.917,163.866) ; 172.735,189.629 v1(171.665,189.629) 171.678,189.642 173.288,189.642 173.872,190.226 v1(176.783,190.226) 176.783,191.103 177.672,191.992 178.575,191.992 178.993,192.41 178.993,195.978 178.624,196.347 178.917,196.64 178.917,202.316 v1(178.917,203.866) ; 174.802,27.788 175.564,28.55 178.409,28.55 v1(178.891,29.032) ; 174.802,67.788 175.564,68.55 178.409,68.55 v1(178.891,69.032) ; 174.802,107.788 175.564,108.55 178.409,108.55 v1(178.891,109.032) ; 174.802,147.788 175.564,148.55 178.409,148.55 v1(178.891,149.032) ; 174.802,187.788 175.564,188.55 178.409,188.55 v1(178.891,189.032) ; 176.668,36.092 176.668,33.692 ; 176.668,76.092 176.668,73.692 ; 176.668,116.092 176.668,113.692 ; 176.668,156.092 176.668,153.692 ; 176.668,196.092 176.668,193.692 ; 176.924,36.347 176.924,39.584 ; 176.924,76.347 176.924,79.584 ; 176.924,116.347 176.924,119.584 ; 176.924,156.347 176.924,159.584 ; 176.924,196.347 176.924,199.584 ; 176.935,42.396 178.837,42.396 ; 176.935,82.396 178.837,82.396 ; 176.935,122.396 178.837,122.396 ; 176.935,162.396 178.837,162.396 ; 176.935,202.396 178.837,202.396 ; 177.672,33.692 176.668,33.692 ; 177.672,73.692 176.668,73.692 ; 177.672,113.692 176.668,113.692 ; 177.672,153.692 176.668,153.692 ; 177.672,193.692 176.668,193.692 ; v1(186.126,30.632) 186.939,31.445 ; v1(186.126,70.632) 186.939,71.445 ; v1(186.126,110.632) 186.939,111.445 ; v1(186.126,150.632) 186.939,151.445 ; v1(186.126,190.632) 186.939,191.445 ; 187.469,35.611 v1(188.691,35.611) ; 187.469,75.611 v1(188.691,75.611) ; 187.469,115.611 v1(188.691,115.611) ; 187.469,155.611 v1(188.691,155.611) ; 187.469,195.611 v1(188.691,195.611) ; 187.659,31.56 190.57,31.56 191.752,30.378 v1@193.06,30.378 ; 187.659,71.56 190.57,71.56 191.752,70.378 v1@193.06,70.378 ; 187.659,111.56 190.57,111.56 191.752,110.378 v1@193.06,110.378 ; 187.659,151.56 190.57,151.56 191.752,150.378 v1@193.06,150.378 ; 187.659,191.56 190.57,191.56 191.752,190.378 v1@193.06,190.378 ; 188.322,35.98 188.322,37.236 ; 188.322,75.98 188.322,77.236 ; 188.322,115.98 188.322,117.236 ; 188.322,155.98 188.322,157.236 ; 188.322,195.98 188.322,197.236 ; 188.996,35.916 189.245,36.165 193.86,36.165 194.774,37.078 194.774,37.236 ; 188.996,75.916 189.245,76.165 193.86,76.165 194.774,77.078 194.774,77.236 ; 188.996,115.916 189.245,116.165 193.86,116.165 194.774,117.078 194.774,117.236 ; 188.996,155.916 189.245,156.165 193.86,156.165 194.774,157.078 194.774,157.236 ; 188.996,195.916 189.245,196.165 193.86,196.165 194.774,197.078 194.774,197.236 ; v1@193.225,30.645 195.534,30.645 196.563,31.674 197.81,31.674 v1(198.572,32.436) 198.572,33.096 199.168,33.692 ; v1@193.225,70.645 195.534,70.645 196.563,71.674 197.81,71.674 v1(198.572,72.436) 198.572,73.096 199.168,73.692 ; v1@193.225,110.645 195.534,110.645 196.563,111.674 197.81,111.674 v1(198.572,112.436) 198.572,113.096 199.168,113.692 ; v1@193.225,150.645 195.534,150.645 196.563,151.674 197.81,151.674 v1(198.572,152.436) 198.572,153.096 199.168,153.692 ; v1@193.225,190.645 195.534,190.645 196.563,191.674 197.81,191.674 v1(198.572,192.436) 198.572,193.096 199.168,193.692 ; 195.235,29.629 v1(194.165,29.629) 194.178,29.642 195.788,29.642 196.372,30.226 v1(199.283,30.226) 199.283,31.103 200.172,31.992 201.075,31.992 201.493,32.41 201.493,35.978 201.124,36.347 201.417,36.64 201.417,42.316 v1(201.417,43.866) ; 195.235,69.629 v1(194.165,69.629) 194.178,69.642 195.788,69.642 196.372,70.226 v1(199.283,70.226) 199.283,71.103 200.172,71.992 201.075,71.992 201.493,72.41 201.493,75.978 201.124,76.347 201.417,76.64 201.417,82.316 v1(201.417,83.866) ; 195.235,109.629 v1(194.165,109.629) 194.178,109.642 195.788,109.642 196.372,110.226 v1(199.283,110.226) 199.283,111.103 200.172,111.992 201.075,111.992 201.493,112.41 201.493,115.978 201.124,116.347 201.417,116.64 201.417,122.316 v1(201.417,123.866) ; 195.235,149.629 v1(194.165,149.629) 194.178,149.642 195.788,149.642 196.372,150.226 v1(199.283,150.226) 199.283,151.103 200.172,151.992 201.075,151.992 201.493,152.41 201.493,155.978 201.124,156.347 201.417,156.64 201.417,162.316 v1(201.417,163.866) ; 195.235,189.629 v1(194.165,189.629) 194.178,189.642 195.788,189.642 196.372,190.226 v1(199.283,190.226) 199.283,191.103 200.172,191.992 201.075,191.992 201.493,192.41 201.493,195.978 201.124,196.347 201.417,196.64 201.417,202.316 v1(201.417,203.866) ; 197.302,27.788 198.064,28.55 200.909,28.55 v1(201.391,29.032) ; 197.302,67.788 198.064,68.55 200.909,68.55 v1(201.391,69.032) ; 197.302,107.788 198.064,108.55 200.909,108.55 v1(201.391,109.032) ; 197.302,147.788 198.064,148.55 200.909,148.55 v1(201.391,149.032) ; 197.302,187.788 198.064,188.55 200.909,188.55 v1(201.391,189.032) ; 199.168,36.092 199.168,33.692 ; 199.168,76.092 199.168,73.692 ; 199.168,116.092 199.168,113.692 ; 199.168,156.092 199.168,153.692 ; 199.168,196.092 199.168,193.692 ; 199.424,36.347 199.424,39.584 ; 199.424,76.347 199.424,79.584 ; 199.424,116.347 199.424,119.584 ; 199.424,156.347 199.424,159.584 ; 199.424,196.347 199.424,199.584 ; 199.435,42.396 201.337,42.396 ; 199.435,82.396 201.337,82.396 ; 199.435,122.396 201.337,122.396 ; 199.435,162.396 201.337,162.396 ; 199.435,202.396 201.337,202.396 ; 200.172,33.692 199.168,33.692 ; 200.172,73.692 199.168,73.692 ; 200.172,113.692 199.168,113.692 ; 200.172,153.692 199.168,153.692 ; 200.172,193.692 199.168,193.692 ; v1(208.626,30.632) 209.439,31.445 ; v1(208.626,70.632) 209.439,71.445 ; v1(208.626,110.632) 209.439,111.445 ; v1(208.626,150.632) 209.439,151.445 ; v1(208.626,190.632) 209.439,191.445 ; 209.969,35.611 v1(211.191,35.611) ; 209.969,75.611 v1(211.191,75.611) ; 209.969,115.611 v1(211.191,115.611) ; 209.969,155.611 v1(211.191,155.611) ; 209.969,195.611 v1(211.191,195.611) ; 210.159,31.56 213.07,31.56 214.252,30.378 v1@215.56,30.378 ; 210.159,71.56 213.07,71.56 214.252,70.378 v1@215.56,70.378 ; 210.159,111.56 213.07,111.56 214.252,110.378 v1@215.56,110.378 ; 210.159,151.56 213.07,151.56 214.252,150.378 v1@215.56,150.378 ; 210.159,191.56 213.07,191.56 214.252,190.378 v1@215.56,190.378 ; 210.822,35.98 210.822,37.236 ; 210.822,75.98 210.822,77.236 ; 210.822,115.98 210.822,117.236 ; 210.822,155.98 210.822,157.236 ; 210.822,195.98 210.822,197.236 ; 211.496,35.916 211.745,36.165 216.36,36.165 217.274,37.078 217.274,37.236 ; 211.496,75.916 211.745,76.165 216.36,76.165 217.274,77.078 217.274,77.236 ; 211.496,115.916 211.745,116.165 216.36,116.165 217.274,117.078 217.274,117.236 ; 211.496,155.916 211.745,156.165 216.36,156.165 217.274,157.078 217.274,157.236 ; 211.496,195.916 211.745,196.165 216.36,196.165 217.274,197.078 217.274,197.236 ; v1@215.725,30.645 218.034,30.645 219.063,31.674 220.31,31.674 v1(221.072,32.436) 221.072,33.096 221.668,33.692 ; v1@215.725,70.645 218.034,70.645 219.063,71.674 220.31,71.674 v1(221.072,72.436) 221.072,73.096 221.668,73.692 ; v1@215.725,110.645 218.034,110.645 219.063,111.674 220.31,111.674 v1(221.072,112.436) 221.072,113.096 221.668,113.692 ; v1@215.725,150.645 218.034,150.645 219.063,151.674 220.31,151.674 v1(221.072,152.436) 221.072,153.096 221.668,153.692 ; v1@215.725,190.645 218.034,190.645 219.063,191.674 220.31,191.674 v1(221.072,192.436) 221.072,193.096 221.668,193.692 ; 217.735,29.629 v1(216.665,29.629) 216.678,29.642 218.288,29.642 218.872,30.226 v1(221.783,30.226) 221.783,31.103 222.672,31.992 223.575,31.992 223.993,32.41 223.993,35.978 223.624,36.347 223.917,36.64 223.917,42.316 v1(223.917,43.866) ; 217.735,69.629 v1(216.665,69.629) 216.678,69.642 218.288,69.642 218.872,70.226 v1(221.783,70.226) 221.783,71.103 222.672,71.992 223.575,71.992 223.993,72.41 223.993,75.978 223.624,76.347 223.917,76.64 223.917,82.316 v1(223.917,83.866) ; 217.735,109.629 v1(216.665,109.629) 216.678,109.642 218.288,109.642 218.872,110.226 v1(221.783,110.226) 221.783,111.103 222.672,111.992 223.575,111.992 223.993,112.41 223.993,115.978 223.624,116.347 223.917,116.64 223.917,122.316 v1(223.917,123.866) ; 217.735,149.629 v1(216.665,149.629) 216.678,149.642 218.288,149.642 218.872,150.226 v1(221.783,150.226) 221.783,151.103 222.672,151.992 223.575,151.992 223.993,152.41 223.993,155.978 223.624,156.347 223.917,156.64 223.917,162.316 v1(223.917,163.866) ; 217.735,189.629 v1(216.665,189.629) 216.678,189.642 218.288,189.642 218.872,190.226 v1(221.783,190.226) 221.783,191.103 222.672,191.992 223.575,191.992 223.993,192.41 223.993,195.978 223.624,196.347 223.917,196.64 223.917,202.316 v1(223.917,203.866) ; 219.802,27.788 220.564,28.55 223.409,28.55 v1(223.891,29.032) ; 219.802,67.788 220.564,68.55 223.409,68.55 v1(223.891,69.032) ; 219.802,107.788 220.564,108.55 223.409,108.55 v1(223.891,109.032) ; 219.802,147.788 220.564,148.55 223.409,148.55 v1(223.891,149.032) ; 219.802,187.788 220.564,188.55 223.409,188.55 v1(223.891,189.032) ; 221.668,36.092 221.668,33.692 ; 221.668,76.092 221.668,73.692 ; 221.668,116.092 221.668,113.692 ; 221.668,156.092 221.668,153.692 ; 221.668,196.092 221.668,193.692 ; 221.924,36.347 221.924,39.584 ; 221.924,76.347 221.924,79.584 ; 221.924,116.347 221.924,119.584 ; 221.924,156.347 221.924,159.584 ; 221.924,196.347 221.924,199.584 ; 221.935,42.396 223.837,42.396 ; 221.935,82.396 223.837,82.396 ; 221.935,122.396 223.837,122.396 ; 221.935,162.396 223.837,162.396 ; 221.935,202.396 223.837,202.396 ; 222.672,33.692 221.668,33.692 ; 222.672,73.692 221.668,73.692 ; 222.672,113.692 221.668,113.692 ; 222.672,153.692 221.668,153.692 ; 222.672,193.692 221.668,193.692 ; v1(231.126,30.632) 231.939,31.445 ; v1(231.126,70.632) 231.939,71.445 ; v1(231.126,110.632) 231.939,111.445 ; v1(231.126,150.632) 231.939,151.445 ; v1(231.126,190.632) 231.939,191.445 ; 232.469,35.611 v1(233.691,35.611) ; 232.469,75.611 v1(233.691,75.611) ; 232.469,115.611 v1(233.691,115.611) ; 232.469,155.611 v1(233.691,155.611) ; 232.469,195.611 v1(233.691,195.611) ; 232.659,31.56 235.57,31.56 236.752,30.378 v1@238.06,30.378 ; 232.659,71.56 235.57,71.56 236.752,70.378 v1@238.06,70.378 ; 232.659,111.56 235.57,111.56 236.752,110.378 v1@238.06,110.378 ; 232.659,151.56 235.57,151.56 236.752,150.378 v1@238.06,150.378 ; 232.659,191.56 235.57,191.56 236.752,190.378 v1@238.06,190.378 ; 233.322,35.98 233.322,37.236 ; 233.322,75.98 233.322,77.236 ; 233.322,115.98 233.322,117.236 ; 233.322,155.98 233.322,157.236 ; 233.322,195.98 233.322,197.236 ; 233.996,35.916 234.245,36.165 238.86,36.165 239.774,37.078 239.774,37.236 ; 233.996,75.916 234.245,76.165 238.86,76.165 239.774,77.078 239.774,77.236 ; 233.996,115.916 234.245,116.165 238.86,116.165 239.774,117.078 239.774,117.236 ; 233.996,155.916 234.245,156.165 238.86,156.165 239.774,157.078 239.774,157.236 ; 233.996,195.916 234.245,196.165 238.86,196.165 239.774,197.078 239.774,197.236 ; v1@238.225,30.645 240.534,30.645 241.563,31.674 242.81,31.674 v1(243.572,32.436) 243.572,33.096 244.168,33.692 ; v1@238.225,70.645 240.534,70.645 241.563,71.674 242.81,71.674 v1(243.572,72.436) 243.572,73.096 244.168,73.692 ; v1@238.225,110.645 240.534,110.645 241.563,111.674 242.81,111.674 v1(243.572,112.436) 243.572,113.096 244.168,113.692 ; v1@238.225,150.645 240.534,150.645 241.563,151.674 242.81,151.674 v1(243.572,152.436) 243.572,153.096 244.168,153.692 ; v1@238.225,190.645 240.534,190.645 241.563,191.674 242.81,191.674 v1(243.572,192.436) 243.572,193.096 244.168,193.692 ; 240.235,29.629 v1(239.165,29.629) 239.178,29.642 240.788,29.642 241.372,30.226 v1(244.283,30.226) 244.283,31.103 245.172,31.992 246.075,31.992 246.493,32.41 246.493,35.978 246.124,36.347 246.417,36.64 246.417,42.316 v1(246.417,43.866) ; 240.235,69.629 v1(239.165,69.629) 239.178,69.642 240.788,69.642 241.372,70.226 v1(244.283,70.226) 244.283,71.103 245.172,71.992 246.075,71.992 246.493,72.41 246.493,75.978 246.124,76.347 246.417,76.64 246.417,82.316 v1(246.417,83.866) ; 240.235,109.629 v1(239.165,109.629) 239.178,109.642 240.788,109.642 241.372,110.226 v1(244.283,110.226) 244.283,111.103 245.172,111.992 246.075,111.992 246.493,112.41 246.493,115.978 246.124,116.347 246.417,116.64 246.417,122.316 v1(246.417,123.866) ; 240.235,149.629 v1(239.165,149.629) 239.178,149.642 240.788,149.642 241.372,150.226 v1(244.283,150.226) 244.283,151.103 245.172,151.992 246.075,151.992 246.493,152.41 246.493,155.978 246.124,156.347 246.417,156.64 246.417,162.316 v1(246.417,163.866) ; 240.235,189.629 v1(239.165,189.629) 239.178,189.642 240.788,189.642 241.372,190.226 v1(244.283,190.226) 244.283,191.103 245.172,191.992 246.075,191.992 246.493,192.41 246.493,195.978 246.124,196.347 246.417,196.64 246.417,202.316 v1(246.417,203.866) ; 242.302,27.788 243.064,28.55 245.909,28.55 v1(246.391,29.032) ; 242.302,67.788 243.064,68.55 245.909,68.55 v1(246.391,69.032) ; 242.302,107.788 243.064,108.55 245.909,108.55 v1(246.391,109.032) ; 242.302,147.788 243.064,148.55 245.909,148.55 v1(246.391,149.032) ; 242.302,187.788 243.064,188.55 245.909,188.55 v1(246.391,189.032) ; 244.168,36.092 244.168,33.692 ; 244.168,76.092 244.168,73.692 ; 244.168,116.092 244.168,113.692 ; 244.168,156.092 244.168,153.692 ; 244.168,196.092 244.168,193.692 ; 244.424,36.347 244.424,39.584 ; 244.424,76.347 244.424,79.584 ; 244.424,116.347 244.424,119.584 ; 244.424,156.347 244.424,159.584 ; 244.424,196.347 244.424,199.584 ; 244.435,42.396 246.337,42.396 ; 244.435,82.396 246.337,82.396 ; 244.435,122.396 246.337,122.396 ; 244.435,162.396 246.337,162.396 ; 244.435,202.396 246.337,202.396 ; 245.172,33.692 244.168,33.692 ; 245.172,73.692 244.168,73.692 ; 245.172,113.692 244.168,113.692 ; 245.172,153.692 244.168,153.692 ; 245.172,193.692 244.168,193.692
  Bottom Layer w1.27: v2(27.864,85.339) 33.528,85.339 ; v2(27.864,125.339) 33.528,125.339 ; v2(27.864,165.339) 33.528,165.339 ; v2(27.864,205.339) 33.528,205.339 ; 35.763,85.288 v2(41.554,85.288) ; 35.763,125.288 v2(41.554,125.288) ; 35.763,165.288 v2(41.554,165.288) ; 35.763,205.288 v2(41.554,205.288) ; v2(50.364,45.339) 56.028,45.339 ; v2(50.364,85.339) 56.028,85.339 ; v2(50.364,125.339) 56.028,125.339 ; v2(50.364,165.339) 56.028,165.339 ; v2(50.364,205.339) 56.028,205.339 ; 58.263,45.288 v2(64.054,45.288) ; 58.263,85.288 v2(64.054,85.288) ; 58.263,125.288 v2(64.054,125.288) ; 58.263,165.288 v2(64.054,165.288) ; 58.263,205.288 v2(64.054,205.288) ; v2(72.864,45.339) 78.528,45.339 ; v2(72.864,85.339) 78.528,85.339 ; v2(72.864,125.339) 78.528,125.339 ; v2(72.864,165.339) 78.528,165.339 ; v2(72.864,205.339) 78.528,205.339 ; 80.763,45.288 v2(86.554,45.288) ; 80.763,85.288 v2(86.554,85.288) ; 80.763,125.288 v2(86.554,125.288) ; 80.763,165.288 v2(86.554,165.288) ; 80.763,205.288 v2(86.554,205.288) ; v2(95.364,45.339) 101.028,45.339 ; v2(95.364,85.339) 101.028,85.339 ; v2(95.364,125.339) 101.028,125.339 ; v2(95.364,165.339) 101.028,165.339 ; v2(95.364,205.339) 101.028,205.339 ; 103.263,45.288 v2(109.054,45.288) ; 103.263,85.288 v2(109.054,85.288) ; 103.263,125.288 v2(109.054,125.288) ; 103.263,165.288 v2(109.054,165.288) ; 103.263,205.288 v2(109.054,205.288) ; v2(117.864,45.339) 123.528,45.339 ; v2(117.864,85.339) 123.528,85.339 ; v2(117.864,125.339) 123.528,125.339 ; v2(117.864,165.339) 123.528,165.339 ; v2(117.864,205.339) 123.528,205.339 ; 125.763,45.288 v2(131.554,45.288) ; 125.763,85.288 v2(131.554,85.288) ; 125.763,125.288 v2(131.554,125.288) ; 125.763,165.288 v2(131.554,165.288) ; 125.763,205.288 v2(131.554,205.288) ; v2(140.364,45.339) 146.028,45.339 ; v2(140.364,85.339) 146.028,85.339 ; v2(140.364,125.339) 146.028,125.339 ; v2(140.364,165.339) 146.028,165.339 ; v2(140.364,205.339) 146.028,205.339 ; 148.263,45.288 v2(154.054,45.288) ; 148.263,85.288 v2(154.054,85.288) ; 148.263,125.288 v2(154.054,125.288) ; 148.263,165.288 v2(154.054,165.288) ; 148.263,205.288 v2(154.054,205.288) ; v2(162.864,45.339) 168.528,45.339 ; v2(162.864,85.339) 168.528,85.339 ; v2(162.864,125.339) 168.528,125.339 ; v2(162.864,165.339) 168.528,165.339 ; v2(162.864,205.339) 168.528,205.339 ; 170.763,45.288 v2(176.554,45.288) ; 170.763,85.288 v2(176.554,85.288) ; 170.763,125.288 v2(176.554,125.288) ; 170.763,165.288 v2(176.554,165.288) ; 170.763,205.288 v2(176.554,205.288) ; v2(185.364,45.339) 191.028,45.339 ; v2(185.364,85.339) 191.028,85.339 ; v2(185.364,125.339) 191.028,125.339 ; v2(185.364,165.339) 191.028,165.339 ; v2(185.364,205.339) 191.028,205.339 ; 193.263,45.288 v2(199.054,45.288) ; 193.263,85.288 v2(199.054,85.288) ; 193.263,125.288 v2(199.054,125.288) ; 193.263,165.288 v2(199.054,165.288) ; 193.263,205.288 v2(199.054,205.288) ; v2(207.864,45.339) 213.528,45.339 ; v2(207.864,85.339) 213.528,85.339 ; v2(207.864,125.339) 213.528,125.339 ; v2(207.864,165.339) 213.528,165.339 ; v2(207.864,205.339) 213.528,205.339 ; 215.763,45.288 v2(221.554,45.288) ; 215.763,85.288 v2(221.554,85.288) ; 215.763,125.288 v2(221.554,125.288) ; 215.763,165.288 v2(221.554,165.288) ; 215.763,205.288 v2(221.554,205.288) ; v2(230.364,45.339) 236.028,45.339 ; v2(230.364,85.339) 236.028,85.339 ; v2(230.364,125.339) 236.028,125.339 ; v2(230.364,165.339) 236.028,165.339 ; v2(230.364,205.339) 236.028,205.339 ; 238.263,45.288 v2(244.054,45.288) ; 238.263,85.288 v2(244.054,85.288) ; 238.263,125.288 v2(244.054,125.288) ; 238.263,165.288 v2(244.054,165.288) ; 238.263,205.288 v2(244.054,205.288)
  other v1: 60.829,41.148 83.329,41.148 105.829,41.148 128.329,41.148 150.829,41.148 173.329,41.148 195.829,41.148 218.329,41.148 240.829,41.148 38.329,81.148 60.829,81.148 83.329,81.148 105.829,81.148 128.329,81.148 150.829,81.148 173.329,81.148 195.829,81.148 218.329,81.148 240.829,81.148 38.329,121.148 60.829,121.148 83.329,121.148 105.829,121.148 128.329,121.148 150.829,121.148 173.329,121.148 195.829,121.148 218.329,121.148 240.829,121.148 38.329,161.148 60.829,161.148 83.329,161.148 105.829,161.148 128.329,161.148 150.829,161.148 173.329,161.148 195.829,161.148 218.329,161.148 240.829,161.148 38.329,201.148 60.829,201.148 83.329,201.148 105.829,201.148 128.329,201.148 150.829,201.148 173.329,201.148 195.829,201.148 218.329,201.148 240.829,201.148

## Silkscreen, mask and mechanical layers (free items; w line width, h text height)
Mechanical 1:
  the board outline again, w0.254